# Altium PCB CC-B00-V00.PcbDoc (part 3 of 3) (continued)
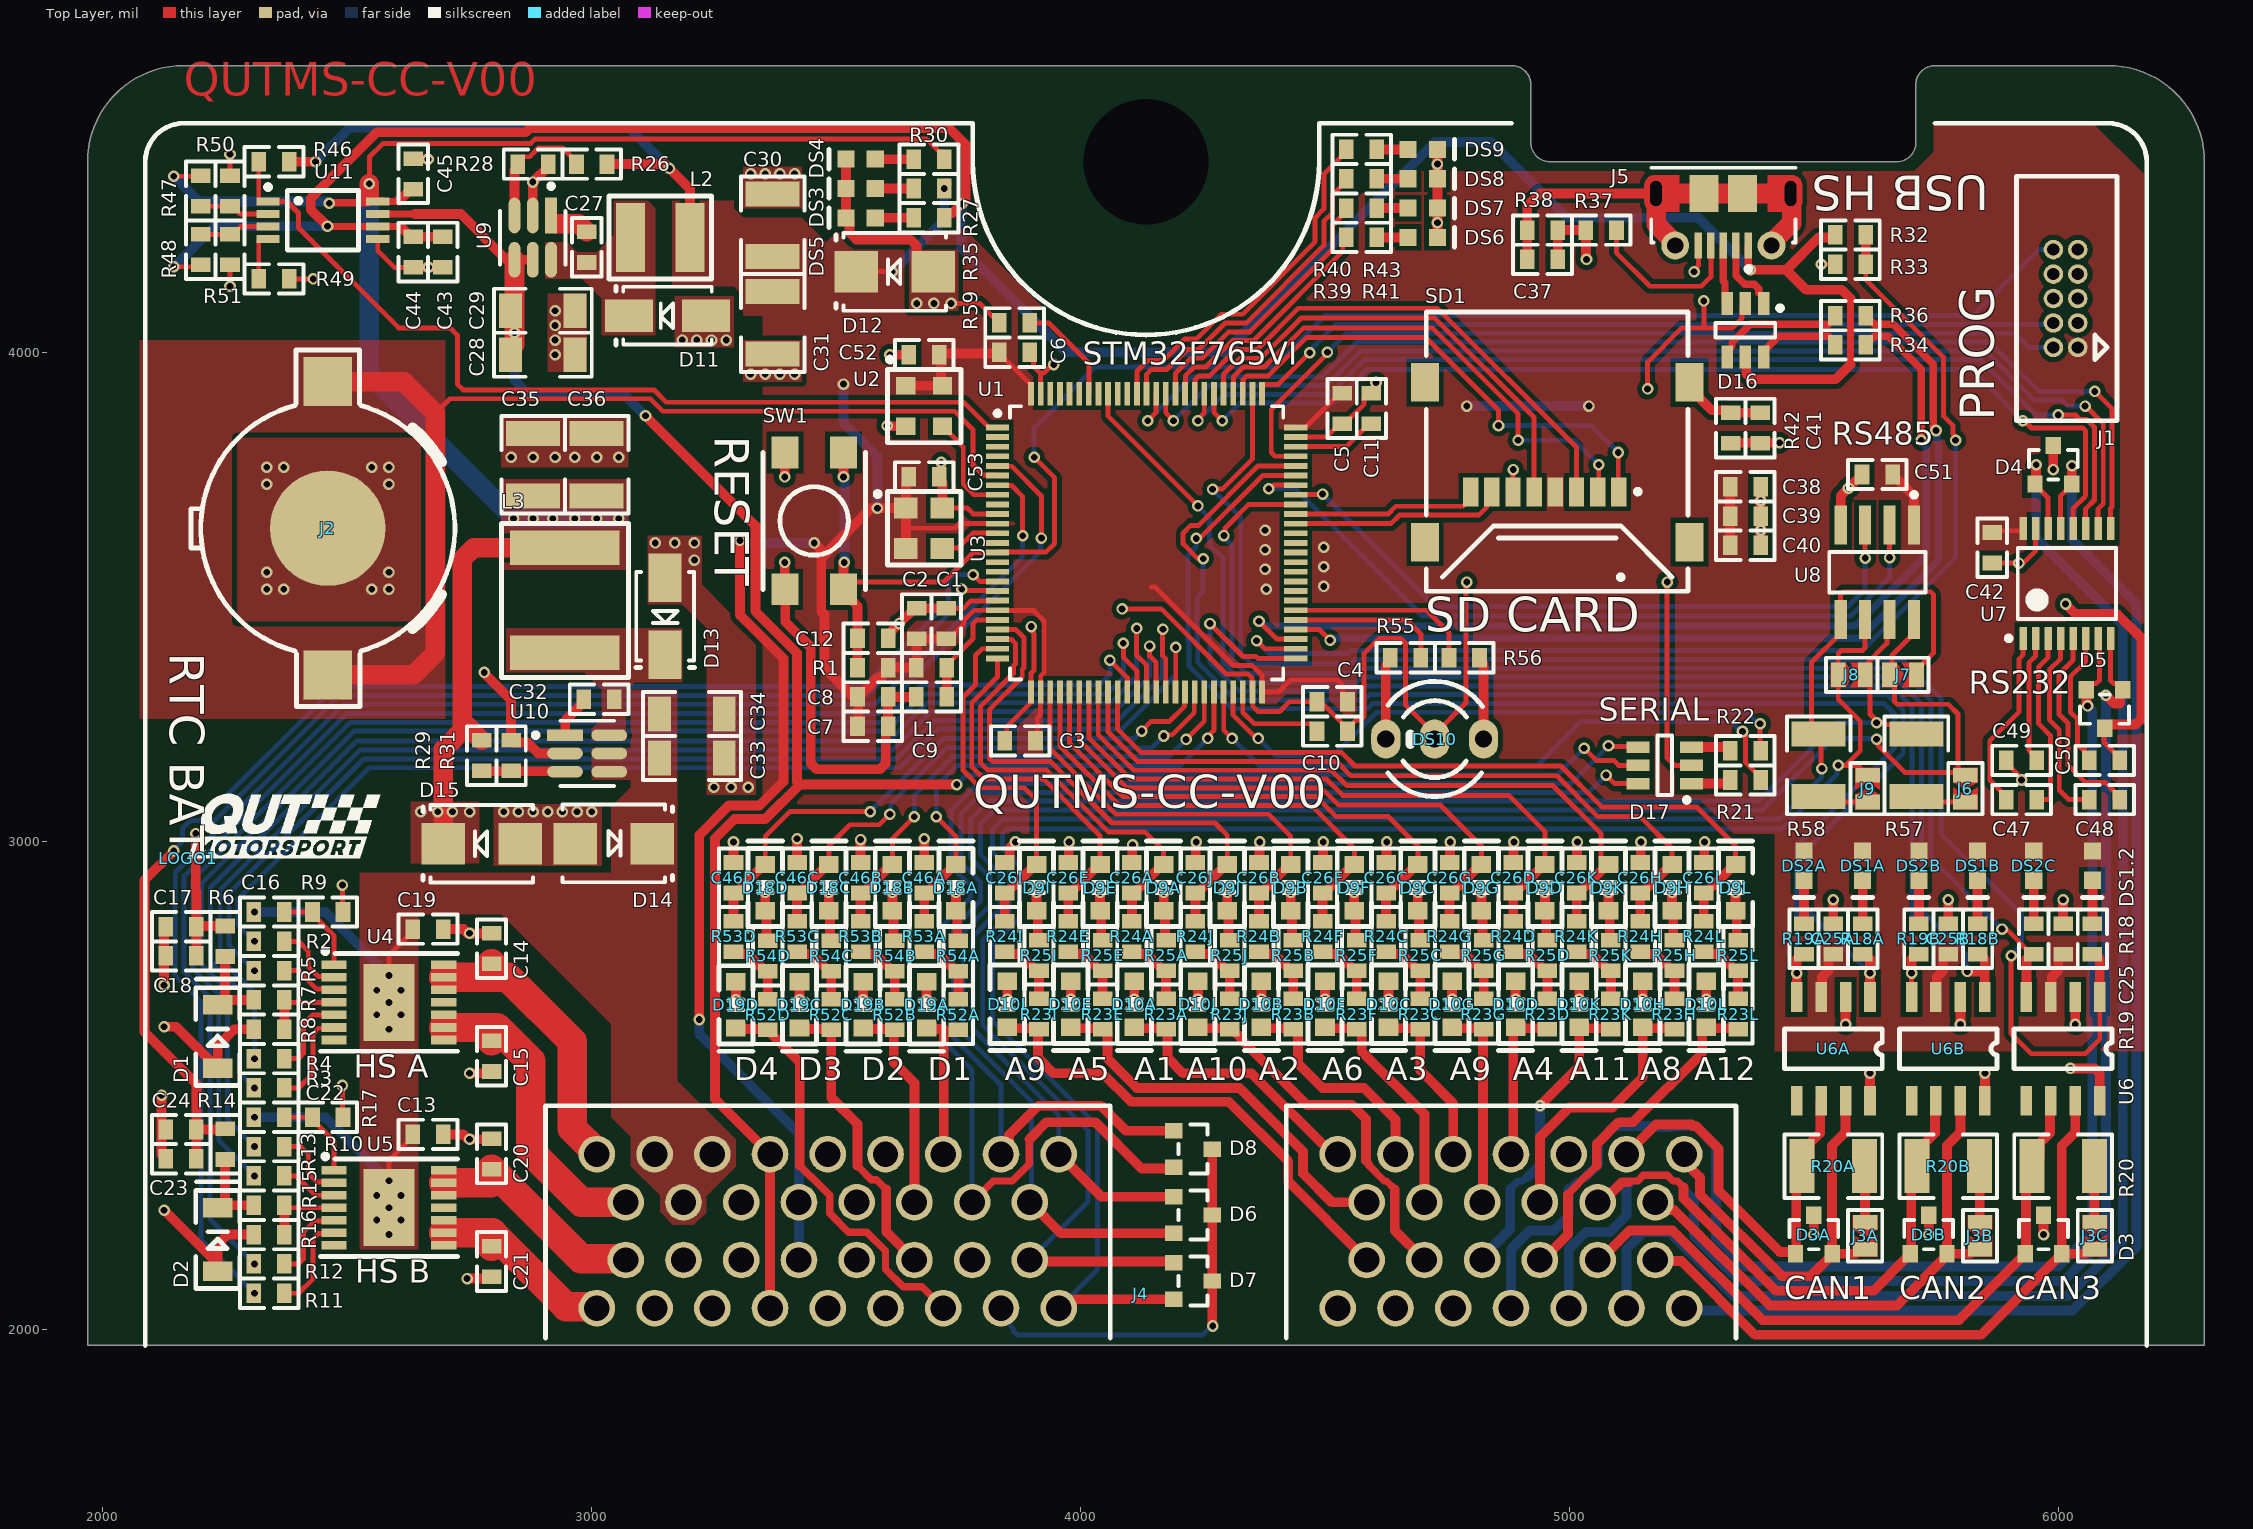
[diagram p0: Top Layer view]
## Nets (pads, with @x,y where several pads share a name; then routed paths per layer and width w, separated by ;. In a path a pad name is that pad's centre, name@x,y a point inside that pad or via, vN(x,y) a via of type N, cw(c..) or ccw(c..) an arc to the next point about the centre after c; other vN are vias at no path point) (continued)
  Top Layer w10: R49.2@2318.76,4150 2318.76,4228.33 2322.05,4231.61 U11.4@2337.8,4231.61
"PWR CB": C27.1 U9.1 | length 72.3
  Top Layer w40: U9.1@2924.7,4263.23 2973.01,4263.23 C27.1@2990,4246.24
"PWR CB 5V": C32.1 U10.1 | length 89.2
  Top Layer w20: U10.1@2945.27,3216.75 2945.85,3217.33 2945.85,3247.08 2978.76,3280 2978.76,3285 C32.1@2983.76,3290
"PWR FB": R26.1 R28.2 U9.3 | length 256.3
  Top Layer w10: R28.2@2848.76,4390 2858.76,4400 2872.85,4400 2890.85,4418 2940.76,4418 2968.76,4390 R26.1@2968.76,4385
  Top Layer w20: U9.3@2841.95,4279.73 2841.95,4373.18 2848.76,4380 R28.2@2848.76,4385
"PWR FB 5V": R29.1 R31.2 U10.3 | length 171
  Top Layer w20: R29.1@2775,3143.76 2776.03,3142.73 2944.48,3142.73 U10.3@2945.27,3141.95
"PWR SW": C27.2 D11.K L2.1 U9.6
"PWR SW 5V": C32.2 D13.K L3.1 U10.6
"RS232 C1+": C47.2 U7.1 | length 369.7
  Top Layer w10: C47.2@5898.76,3095.38 5888.39,3095.38 5883.76,3100 5883.76,3101.24 5860,3125 5860,3205 5920,3265 5920,3373.14 5928.2,3381.34 U7.1@5928.2,3414.7
"RS232 C1-": C47.1 U7.3 | length 373.5
  Top Layer w10: C47.1@5956.24,3085 5980.38,3085 5984.24,3088.86 5984.24,3215.76 5960,3240 5960,3356.57 5979.38,3375.95 U7.3@5979.38,3414.7
"RS232 C2+": C48.2 U7.4 | length 397.9
  Top Layer w10: U7.4@6004.97,3414.7 6004.97,3373.26 5981.85,3350.13 5981.85,3248.15 6002.24,3227.76 6002.24,3104.46 6021.69,3085 C48.2@6063.76,3085
"RS232 C2-": C48.1 U7.5 | length 412.9
  Top Layer w10: U7.5@6030.56,3414.7 6030.56,3370.56 6001.85,3341.85 6001.85,3259.01 6020.24,3240.62 6020.24,3155.14 6055.38,3120 6096.22,3120 C48.1@6116.22,3100 ; C48.1@6116.24,3085 C48.1@6116.24,3100
"RS232 V+": C49.2 U7.2 | length 252.6
  Top Layer w10: C49.2@5953.79,3175 5951.24,3175 5940,3186.24 5940,3364.85 5953.79,3378.65 U7.2@5953.79,3414.7
"RS232 V-": C50.2 U7.6 | length 277.4
  Top Layer w10: C50.2@6053.76,3165 6053.76,3188.19 6048.89,3188.19 6039.24,3197.84 6039.24,3249.9 6025,3264.14 6025,3335.82 6056.16,3366.98 U7.6@6056.16,3414.7
"RS232A RX": D4.1 J4.A25 U7.14 | length 3060.6
  Top Layer w10: D4.1@5952.6,3730.63 5952.6,3728.66 5979.38,3701.88 U7.14@5979.38,3639.11
  Top Layer w20: D4.1@5952.6,3730.63 5954.31,3732.34 5954.31,3769.31 v1(5955,3770)
  Bottom Layer w20: J4.A25@5116.77,2039.59 5116.77,2165.28 5152.01,2200.51 5204.63,2200.51 5335.56,2069.59 6019.59,2069.59 6132,2182 6132,3443 5955,3620 v1(5955,3770)
"RS232A TX": D4.2 J4.A26 U7.13 | length 2770
  Top Layer w10: U7.13@6004.97,3639.11 6004.97,3706.23 6027.4,3728.66 D4.2@6027.4,3730.63
  Top Layer w20: D4.2@6027.4,3730.63 6027.8,3731.02 6027.8,3767.47 v1(6028.19,3767.86)
  Bottom Layer w20: J4.A26@5234.88,2039.59 6029.59,2039.59 6160,2170 6160,3485 6028.19,3616.81 v1(6028.19,3767.86)
"RS232B RX": D5.2 J4.A23 U7.7 | length 2973.4
  Top Layer w10: v1@6057.6,3279.1 v1(6060.13,3276.57) ; D5.2@6057.6,3309.37 6057.6,3311.34 6068.35,3322.09 6077.09,3322.09 6084.46,3329.46 6084.46,3411.99 U7.7@6081.75,3414.7
  Top Layer w20: v1@6057.6,3279.1 D5.2@6057.6,3309.37
  Bottom Layer w15: 4998.13,2288.13 5014.55,2304.55 5021.44,2304.55 5030.52,2313.62 5033.9,2313.62
  Bottom Layer w20: J4.A23@4880.55,2039.59 4880.55,2160.28 4882.11,2161.83 4882.11,2166.83 4918.9,2203.62 4968.42,2203.62 4998.13,2233.33 4998.13,2288.13 ; 5033.9,2313.62 5034.05,2313.62 5059.27,2338.84 5059.27,2383.37 5092.95,2417.05 5177.95,2417.05 5180,2415 5209.02,2415 5211.06,2417.05 5258.7,2417.05 5300,2375.75 5300,2190 5360,2130 6000.8,2130 6069.59,2198.79 6069.59,3266.12 6060.13,3275.59 v1(6060.13,3276.57)
"RS232B TX": D5.1 J4.A24 U7.8 | length 2786.4
  Top Layer w10: U7.8@6107.34,3414.7 6106.77,3414.14 6106.77,3329.37 6114.06,3322.09 6121.65,3322.09 6127.4,3316.34 D5.1@6127.4,3309.37 ; D5.1@6130,3306.97 D5.1@6132.4,3309.37
  Top Layer w20: v1(6097.59,3298.57) 6114.52,3281.65 6125.86,3281.65 6126.65,3282.45 6126.65,3303.62 D5.1@6130,3306.97
  Bottom Layer w15: 5116.77,2289.63 5131.69,2304.55 5139.55,2304.55 5151.13,2316.12 5200.52,2316.12 5212.1,2304.55 5220.45,2304.55 5255,2270
  Bottom Layer w20: J4.A24@4998.66,2039.59 4998.66,2165.27 5033.9,2200.51 5083.42,2200.51 5116.77,2233.86 5116.77,2289.63 ; 5255,2270 5255,2192.57 5347.57,2100 6010.4,2100 6097.59,2187.19 v1(6097.59,3298.57)
"RS485 A": D6.1 J4.B9 J6.2 J7.2 U8.8 | length 3639.5
  Top Layer w10: v1(5628.47,3208.57) 5631.08,3205.96 5631.08,3195.99 5687.07,3140 5795,3140 5795,3150 ; U8.8@5705,3452.95 5705,3425.45 5660,3380.45 5660,3345 J7.2@5655,3340 5665,3330 5665,3285.86 5670.86,3280 5775,3280 5795,3260 5795,3150 ; J6.2@5810,3135 5795,3150
  Top Layer w20: J4.B9@3955.35,2359.55 4042.5,2272.4 D6.1@4190.63,2272.4
  Bottom Layer w10: J4.B9@3955.35,2359.55 3955.35,2439.5 3780,2614.85 3780,2805.15 3835,2860.15 3835,2933.43 3795,2973.43 3795,3034.14 3824.53,3063.67 5394.12,3063.67 5540.46,3210 5627.04,3210 v1(5628.47,3208.57)
"RS485 B": D6.2 J4.B17 J8.1 R57.1 U8.7 | length 3472.2
  Top Layer w10: v1(5628.47,3242.19) 5628.47,3245 v1@5629.24,3245.76 ; U8.7@5655,3452.95 5649.62,3447.57 5649.62,3404.62 5605,3360 J8.1@5605,3340 5615,3330 5615,3260 5630,3245 5632.61,3242.39 5642.61,3242.39 5647.04,3237.96 5691.03,3237.96 R57.1@5710,3218.99
  Top Layer w20: J4.B17@3896.3,2261.12 3959.82,2197.6 D6.2@4190.63,2197.6
  Bottom Layer w10: J4.B17@3896.3,2261.12 3900,2264.82 3900,2466.57 3760,2606.57 3760,2813.43 3815,2868.43 3815,2925.15 3775,2965.15 3775,3045 3811.67,3081.67 5386.67,3081.67 5547.19,3242.19 v1(5628.47,3242.19)
"RS485 TERM A": J6.1 R57.2 | length 104.6
  Top Layer w10: R57.2@5710,3091.01 5721.01,3080 J6.1@5810,3080
"RS485 TERM B": J9.2 R58.1 | length 104.6
  Top Layer w10: R58.1@5510,3091.01 5521.01,3080 J9.2@5610,3080
"RS485 Y": D7.1 J4.B25 J7.1 R58.2 U8.5 | length 3874.4
  Top Layer w10: v1(5516.69,3148.31) 5515,3150 5515,3198.99 5495,3218.99 5495,3365.45 5555,3425.45 5555,3504.14 5560.86,3510 5739.14,3510 5745,3504.14 5745,3385 5710,3350 J7.1@5710,3340
  Top Layer w20: J4.B25@3896.3,2143.01 3899.1,2140.21 4187.82,2140.21 D7.1@4190.63,2137.4
  Bottom Layer w10: J4.B25@3896.3,2143.01 4015,2261.71 4015,2408.14 3800,2623.14 3800,2796.86 3855,2851.86 3855,2941.72 3820,2976.72 3820,3024.39 3840.61,3045 5430,3045 5516.04,3131.04 5516.04,3147.67 v1(5516.69,3148.31)
"RS485 Z": D7.2 J4.B34 J8.2 J9.1 U8.6 | length 3595.6
  Top Layer w10: v1(5550,3155) 5565,3155 ; U8.6@5605,3452.95 5605,3395.86 5599.14,3390 5555.86,3390 5550,3384.14 J8.2@5550,3340 5550,3290 5595,3245 5595,3185 5565,3155 ; J9.1@5610,3135 5590,3155 5565,3155
  Top Layer w20: J4.B34@3955.35,2044.59 3970.24,2044.59 3988.25,2062.6 D7.2@4190.63,2062.6
  Bottom Layer w10: J4.B34@3955.35,2044.59 4035,2124.23 4035,2416.42 3820,2631.42 3820,2788.58 3875,2843.58 3875,2950 3840,2985 3840,3016.11 3848.89,3025 5435.46,3025 5547.39,3136.94 5547.39,3152.39 v1(5550,3155)
"SD CLK": SD1.5 U1.80 | length 959.8
  Top Layer w10: U1.80@4292.48,3915.16 4292.48,3954.93 4325.33,3987.78 4368.69,3987.78 4450.91,4070 4724.54,4070 4927.95,3866.59 SD1.5@4927.95,3713.98
"SD CMD": SD1.3 U1.83 | length 1079.4
  Top Layer w10: U1.83@4233.42,3915.16 4234.2,3915.94 4234.2,3944.17 4241.82,3951.78 4263.87,3951.78 4317.87,4005.78 4361.24,4005.78 4445.46,4090 4730,4090 5014.57,3805.43 SD1.3@5014.57,3713.98
"SD DATA0": SD1.7 U1.65 | length 439.9
  Top Layer w10: U1.65@4440.11,3649.41 4634.87,3649.41 4652.46,3667 4814.72,3667 4830.59,3682.87 4830.59,3703.23 SD1.7@4841.34,3713.98
"SD DATA1": SD1.8 U1.66 | length 384.6
  Top Layer w10: U1.66@4440.11,3669.1 4629.1,3669.1 4645,3685 4782.84,3685 4798.03,3700.2 SD1.8@4798.03,3713.98
"SD DATA2": SD1.1 U1.78 | length 1029.7
  Top Layer w10: U1.78@4331.85,3915.16 4332.62,3915.94 4332.62,3944.17 4340.24,3951.78 4383.61,3951.78 4461.82,4030 4706.72,4030 4855,3881.72 v1(4855,3850) ; v1(5100,3795) 5100,3715.16 SD1.1@5101.18,3713.98
  Bottom Layer w10: v1(4855,3850) 5045,3850 v1(5100,3795)
"SD DATA3": SD1.2 U1.79 | length 1028.2
  Top Layer w10: U1.79@4312.16,3915.16 4312.94,3915.94 4312.94,3949.94 4332.78,3969.78 4376.15,3969.78 4456.37,4050 4719.09,4050 4895,3874.09 v1(4895,3820) ; SD1.2@5057.87,3713.98 5060,3716.1 v1(5060,3770)
  Bottom Layer w10: v1(4895,3820) 5010,3820 v1(5060,3770)
"SD SHIELD": C41.1 R42.2 SD1.11 | length 157.7
  Top Layer w20: SD1.11@5245.67,3938.39 5245.67,3927.56 5291.99,3881.24 5325,3881.24 R42.2@5330,3876.24 ; R42.2@5348.76,3876.24 C41.1@5390,3876.24
SWCLK: J1.4 U1.76 | length 1692
  Top Layer w10: U1.76@4371.22,3915.16 4371.22,3932.88 4372.12,3933.78 4403.59,3933.78 4468.6,3998.79 v1(4468.6,3998.86)
  Bottom Layer w10: v1(4468.6,3998.86) 4468.6,4003.6 4522,4057 5987,4057 J1.4@5990,4060
SWDIO: J1.2 U1.72 | length 1819.1
  Top Layer w10: U1.72@4440.11,3787.21 4397.79,3787.21 4390,3795 4390,3882.34 4505,3997.34 v1(4505,4000)
  Bottom Layer w10: v1(4505,4000) 4544,4039 5910.54,4039 5939.54,4010 J1.2@5990,4010
"UART1 RX": U1.81 U7.12 | length 2134.7
  Top Layer w10: U1.81@4272.79,3915.16 4272.79,3877.21 v1(4290,3860) ; v1(5927.78,3860) 5930.39,3860 5945.39,3845 6050.29,3845 6056.15,3839.14 6056.15,3707.53 6055,3706.38 6055,3705 6030.56,3680.56 U7.12@6030.56,3639.11
  Bottom Layer w10: v1(4290,3860) 4326,3896 4516.91,3896 4585.91,3965 5822.78,3965 v1(5927.78,3860)
"UART1 TX": U1.82 U7.11 | length 2218.8
  Top Layer w10: v1(4240,3860) 4240,3863.43 4253.11,3876.54 U1.82@4253.11,3915.16 ; v1(6000,3871.81) 6035.27,3871.81 6044.08,3863 6057.75,3863 6074.15,3846.6 6074.15,3697.86 6056.16,3679.87 U7.11@6056.16,3639.11
  Bottom Layer w10: v1(4240,3860) 4294,3914 4509.46,3914 4580.46,3985 5840.7,3985 5953.89,3871.81 v1(6000,3871.81)
"UART2 RX": U1.87 U7.9 | length 2405.4
  Top Layer w10: v1(4137.42,3859.7) 4154.68,3876.96 U1.87@4154.68,3915.16 ; v1(6075,3920) 6110.15,3884.85 6110.15,3682.95 6107.34,3680.14 U7.9@6107.34,3639.11
  Bottom Layer w10: v1(4137.42,3859.7) 4227.72,3950 4494.54,3950 4565.54,4021 5859,4021 5960,3920 v1(6075,3920)
"UART2 TX": U1.86 U7.10 | length 2304
  Top Layer w10: U1.86@4174.37,3915.16 4174.37,3876.54 4190,3860.9 v1(4190,3860) ; v1(6055,3890) 6056.2,3890 6092.15,3854.05 6092.15,3690.41 6081.75,3680 U7.10@6081.75,3639.11
  Bottom Layer w10: v1(4190,3860) 4262,3932 4502,3932 4573,4003 5850.36,4003 5951.36,3902 6007.73,3902 6019.73,3890 v1(6055,3890)
"UART3 RX": U1.69 U8.2 | length 1576.2
  Top Layer w10: v1(4385,3721.03) 4388.69,3721.03 4395.81,3728.15 U1.69@4440.11,3728.15 ; v1(5655,3580) U8.2@5655,3647.05
  Bottom Layer w10: v1(4385,3721.03) 4438.98,3721.03 4699.5,3460.5 5575.96,3460.5 5655,3539.54 v1(5655,3580)
"UART3 TX": U1.68 U8.3 | length 1407.3
  Top Layer w10: U1.68@4440.11,3708.47 4440.88,3709.23 4494.23,3709.23 v1(4495,3710) ; v1(5605,3579.05) U8.3@5605,3647.05
  Bottom Layer w10: v1(4495,3710) 4725,3480 5570,3480 5605,3515 v1(5605,3579.05)
"UART4 R RX": D17.3 R22.2 | length 83.2
  Top Layer w20: D17.3@5250,3192.4 5323.76,3192.4 5328.76,3187.4 R22.2@5328.76,3185
"UART4 R TX": D17.1 R21.2 | length 83.2
  Top Layer w20: D17.1@5250,3117.6 5323.76,3117.6 5328.76,3122.6 R21.2@5328.76,3125
"UART4 RX": R22.1 U1.47 | length 1261.5
  Top Layer w10: U1.47@4312.16,3304.92 4312.16,3257.38 4359.54,3210 v1(4363.35,3210) ; v1(5390,3240) 5390,3186.24 R22.1@5391.24,3185
  Bottom Layer w10: v1(4363.35,3210) 4398.35,3175 4517.11,3175 4605.78,3263.67 5362.65,3263.67 5386.31,3240 v1(5390,3240)
"UART4 TX": R21.1 U1.46 | length 1330.7
  Top Layer w10: U1.46@4292.48,3304.92 4292.91,3304.49 4292.91,3227.09 v1(4310,3210) ; v1(5354.13,3224.19) 5354.13,3220.5 5360.12,3214.52 5360.12,3161.12 5391.24,3130 R21.1@5391.24,3125
  Bottom Layer w10: v1(4310,3210) 4366.33,3153.67 4932.88,3153.67 5024.21,3245 5329.64,3245 5350.45,3224.19 v1(5354.13,3224.19)
"UARTP RX": D8.2 D17.4 J4.B16 | length 2883.7
  Top Layer w10: D8.2@4190.63,2332.6 D8.2@4193.23,2330 ; v1(5080,3195) 5081.3,3193.7 5138.7,3193.7 D17.4@5140,3192.4
  Top Layer w15: J4.B16@3778.19,2261.12 3821.61,2304.55 3860.03,2304.55 3895,2339.52 3895,2390
  Top Layer w20: 3895,2390 3930,2425 4030,2425 4125,2330 D8.2@4193.23,2330
  Bottom Layer w10: J4.B16@3778.19,2261.12 3778.19,2531.81 3720,2590 3720,2830 3775,2885 3775,2908.58 3735,2948.58 3735,3063.28 3789.38,3117.67 5002.67,3117.67 v1@5081.4,3196.4
"UARTP TX": D8.1 D17.6 J4.B8 | length 2611.8
  Top Layer w10: v1(5075,3135) 5092.4,3117.6 D17.6@5140,3117.6
  Top Layer w20: J4.B8@3847.77,2372.77 3847.77,2384.96 3853.63,2390.81 3853.63,2398.63 3913.68,2458.68 4041.32,2458.68 4092.6,2407.4 D8.1@4190.63,2407.4
  Bottom Layer w10: J4.B8@3837.24,2359.55 3837.24,2501.04 3740,2598.28 3740,2821.72 3795,2876.72 3795,2916.86 3755,2956.86 3755,3055 3799.67,3099.67 5039.67,3099.67 v1(5075,3135)
"USB D_N": D16.1 J5.2 | length 147.6
  Top Layer w15: J5.2@5340.55,4218.5 5340.93,4218.13 5340.93,4156.48 5358.28,4139.12 5378.23,4139.12 5387.31,4130.04 5387.31,4121.9 5393.09,4116.12 D16.1@5393.09,4104.31
"USB D_P": D16.3 J5.3 | length 121.7
  Top Layer w15: J5.3@5314.96,4218.5 5314.96,4145.72 5318.29,4142.4 5318.29,4104.31 D16.3@5322.6,4100
"USB DET": R32.1 R33.1 U1.52 | length 2344.7
  Top Layer w10: v1(4360,3410) 4376.49,3393.51 U1.52@4440.11,3393.51 ; R33.1@5606.24,4180 5606.24,4148.76 5765,3990 5765,3870 5785,3850 5785,3832.67 5787.39,3830.28 5787.39,3822.61 v1(5790,3820)
  Top Layer w20: R33.1@5606.24,4180 R32.1@5606.24,4240
  Bottom Layer w10: v1(4360,3410) 4386.12,3383.88 4547.8,3383.88 4553.92,3390 5599.35,3390 5790,3580.65 v1(5790,3820)
"USB ESD D_N": D16.6 R34.2 | length 185.2
  Top Layer w15: D16.6@5397.4,3990 5397.4,4001.81 5421.02,4025.43 5421.02,4032.5 5531.26,4032.5 5543.76,4020 R34.2@5543.76,4015
"USB ESD D_P": D16.4 R36.2 | length 271
  Top Layer w15: D16.4@5322.6,3990 5322.6,4001.81 5332.69,4011.9 5332.69,4020.04 5370.15,4057.5 5531.26,4057.5 5543.76,4070 R36.2@5543.76,4075
"USB ID": J5.4 R37.2 | length 340
  Top Layer w10: R37.2@5096.24,4250 5096.24,4203.76 5165,4135 5270,4135 5289.37,4154.37 J5.4@5289.37,4218.5
USB_N: R34.1 U1.53 | length 2055.4
  Top Layer w10: v1(4365,3450) 4401.49,3413.51 4421.49,3413.51 4421.81,3413.19 U1.53@4440.11,3413.19
  Top Layer w15: R34.1@5606.24,4015 5606.24,4020 5613.74,4027.5 5618.74,4027.5 5623.74,4032.5 5652.14,4032.5 5719.5,3965.14 5719.5,3820.5 v1(5720,3820)
  Bottom Layer w15: v1(4365,3450) 4367.33,3450 4377.33,3440 5585,3440 5730,3585 5730,3807.67 5720,3817.67 v1(5720,3820)
USB_P: R36.1 U1.54 | length 1979.6
  Top Layer w10: U1.54@4440.11,3432.88 4488.22,3432.88 v1(4510.41,3410.69)
  Top Layer w15: R36.1@5606.24,4075 5606.24,4070 5613.74,4062.5 5618.74,4062.5 5623.74,4057.5 5662.5,4057.5 5744.5,3975.5 5744.5,3847.83 5750,3842.33 v1(5750,3840)
  Bottom Layer w15: v1(4510.41,3410.69) 4512.74,3410.69 4517.05,3415 5595.36,3415 5755,3574.64 5755,3818.02 5751.65,3821.37 5751.65,3838.35 v1(5750,3840)
VBAT: J2.1 U1.6 | length 2245.4
  Top Layer w10: 2680,3875 2710,3905 3120,3905 3145.62,3879.38 3742.47,3879.38 3780,3841.85 3780,3769.49 3800.87,3748.62 3829.1,3748.62 U1.6@3829.88,3747.84
  Top Layer w40: J2.1@2460,3340 2635,3340 2680,3385 2680,3875 2615,3940 J2.1@2460,3940
VBUS: C28.2 C29.2 D17.5 J4.B4 J4.B29 U9.4 U9.5 U11.7 | length 4883.2
  Top Layer w10: C28.2@2833.92,3995 2841.95,4003.03 v1(2841.95,4040) ; v1(5030,3190) 5055,3165 5090.69,3165 5100.69,3155 D17.5@5140,3155
  Top Layer w15: U11.7@2562.2,4282.8 2637.8,4282.8
  Top Layer w20: 2637.8,4282.8 2732.2,4282.8 2825.84,4189.16 U9.4@2841.95,4189.16 ; U9.4@2840.05,4203.07 2841.95,4201.17 U9.4@2841.95,4189.16 ; U9.5@2879.35,4189.16 U9.4@2841.95,4189.16 ; v1(3110,3870) 3335,3645 3335,3470 3420,3385 3420,3121.28 3425.64,3115.64 ; J4.B29@3364.8,2044.59 J4.B4@3364.8,2359.55 3252,2472.35 3252,3005.18 3291.82,3045 3355,3045 3425.64,3115.64 ; v1(3746.65,3115.64) 3425.64,3115.64
  Top Layer w40: C28.2@2833.92,3995 2833.92,4007 2841.95,4015.03 U9.4@2841.95,4189.16
  Bottom Layer w10: v1(3746.65,3115.64) 3766.68,3135.67 3780,3135.67 4975.67,3135.67 v1(5030,3190)
  Bottom Layer w20: v1(2841.95,4040) 2841.95,3943.05 2870,3915 3065,3915 v1(3110,3870)
VCAP1: C10.2 U1.48 | length 205.3
  Top Layer w10: U1.48@4331.85,3297.85 4331.85,3263.15 4355,3240 4473.76,3240 4483.76,3230 C10.2@4483.76,3225
VCAP2: C11.2 U1.73 | length 174.3
  Top Layer w10: U1.73@4440.11,3806.89 4543.13,3806.89 4590,3853.76 C11.2@4595,3853.76
VCC: C13.1 C16.2 C19.1 C22.2 C33.2 C34.2 D14.K J4.B2 J4.B3 J4.B11 U4.15 U5.15 U10.4 U10.5 | length 1000.6
  Top Layer w10: v1(2585,2250) v1(2585,2305) 2585,2346.24 2633.76,2395 C13.1@2633.76,2400 ; v1(2585,2670) v1(2585,2725) 2585,2766.24 2633.76,2815 C19.1@2633.76,2820
  Top Layer w20: C22.2@2308.76,2435 v1(2310,2435) ; C16.2@2308.76,2855 v1(2310,2855)
  Bottom Layer w20: v1(2310,2435) 2455,2435 v1(2585,2305) ; v1(2310,2855) 2455,2855 v1(2585,2725)
  other v1: 2585,2195 2560,2225 2610,2225 2560,2275 2610,2275 2585,2615 2560,2645 2610,2645 2560,2695 2610,2695
VDDA: C9.2 L1.2 U1.21 | length 225
  Top Layer w10: L1.2@3726.24,3355 3726.24,3360 3780,3413.76 3780,3444.54 3788.02,3452.56 U1.21@3829.88,3452.56
  Top Layer w20: C9.2@3726.24,3295 L1.2@3726.24,3355
VUSB: C43.2 C44.2 D16.5 J5.1 R32.2 R35.2 R48.2 U11.6 | length 5202.4
  Top Layer w10: v1(2145,4175) 2196.24,4175 R48.2@2200,4178.76 ; C44.2@2630,4236.24 C44.2@2635,4236.24 ; 5440,4168.62 5443.62,4168.62 ; R32.2@5538.76,4235 R32.2@5543.76,4240
  Top Layer w15: v1(2459.43,4257.9) 2460.13,4257.2 U11.6@2562.2,4257.2 2609.03,4257.2 ; J5.1@5366.14,4218.5 5366.14,4175.05 5370.24,4170.95 v1(5370.24,4168.62) ; 5574.97,3974.97 5574.97,4110.03
  Top Layer w20: v1(2459.43,4257.9) 2425,4292.33 2425,4315 2560,4450 2864.87,4450 2873.87,4459 3731,4459 3765,4425 3765,4310.01 v1@3754.99,4300 ; 2609.03,4257.2 C44.2@2630,4236.24 ; C44.2@2635,4236.24 C43.2@2695,4236.24 ; R35.2@3721.24,4275 3721.24,4280 3726.24,4285 3738.12,4285 3756.47,4303.36 v1(3756.64,4303.36) ; D16.5@5360,3990 5361.81,3988.19 5361.81,3956.72 5373.53,3945 5545,3945 5574.97,3974.97 ; v1(5370.24,4168.62) 5440,4168.62 ; R32.2@5538.76,4235 5510,4235 5443.62,4168.62 5484.54,4127.69 5557.31,4127.69 5574.97,4110.03
  Bottom Layer w20: v1(2145,4175) 2227.9,4257.9 v1(2459.43,4257.9) ; v1(3756.64,4303.36) 3756.64,4213.36 3970,4000 4295,4000 4725,4430 4840,4430 4995,4275 5263.85,4275 v1(5370.24,4168.62)
"VUSB LED": DS5.1 R35.1 | length 71.4
  Top Layer w20: DS5.1@3587.39,4275 R35.1@3658.76,4275
pads on no net: J4.N/C SD1.9 SD1.10 SD1.12 U1.2 U1.3 U1.4 U1.15 U1.16 U1.57 U1.58 U1.59 U1.60 U1.61 U1.62 U1.63 U1.64 U1.90 U1.91 U1.93 U1.95 U1.96 U1.97 U1.98 U4.7 U4.11 U5.7 U5.11

## Polygon pours and split planes (outlines as drawn)
GND on Top Layer "NONET_L01_P-001" (solid, pour order 33): 2650,3450 2650,3825 2275,3825 2275,3450
VCC on Top Layer "NONET_L01_P-001" (solid, pour order 51): 3085,3115 3040,3070 3040,2435 3085,2390 3125,2390 3125,3115
VBAT on Top Layer "NONET_L01_P-001" (solid, pour order 50): 2700,4025 2700,3250 2075,3250 2075,4025
3V3 on Top Layer "NONET_L01_P-001" (solid, pour order 48): 6175,4365 6070,4470 5745,4470 5745,4410 5705,4370 4620,4370 4280,4030 3985,4030 3765,4250 3505,4250 3350,4095 3350,3015 5420,3015 5420,2940 6175,2940
5V on Top Layer "NONET_L01_P-001" (solid, pour order 45): 2770,2955 2770,3080 2630,3080 2630,2955
GND on Top Layer "NONET_L01_P-001" (solid, pour order 44): 3225,3530 3225,3525 3335,3415 3335,3370 3235,3370 3235,3435 3185,3485 3185,3530
3V3 on Top Layer "NONET_L01_P-001" (solid, pour order 43): 3380,4275 3430,4275 3490,4215 3595,4215 3595,4115 3490,4115 3450,4075 3380,4075
GND on Top Layer "NONET_L01_P-001" (solid, pour order 41): 3650,4210 3750,4210 3750,4085 3650,4085
GND on Top Layer "NONET_L01_P-001" (solid, pour order 36): 2815,3870 3075,3870 3075,3765 2815,3765
5V on Top Layer "NONET_L01_P-001" (solid, pour order 34): 2815,3740 3075,3740 3075,3550 3070,3555 2815,3555
3V3 on Top Layer "NONET_L01_P-001" (solid, pour order 31): 3165,4310 3290,4310 3290,4295 3310,4275 3430,4275 3430,4075 3310,4075 3310,4115 3290,4135 3165,4135
GND on Top Layer "NONET_L01_P-001" (solid, pour order 29): 2990,4120 2990,3960 2910,3960 2910,4120
GND on Top Layer "NONET_L01_P-001" (solid, pour order 28): 3170,4010 3290,4010 3290,4115 3170,4115
GND on Top Layer "NONET_L01_P-001" (solid, pour order 27): 3310,3940 3430,3940 3430,4025 3310,4025
GND on Top Layer "NONET_L01_P-001" (solid, pour order 26): 3310,4295 3430,4295 3430,4380 3310,4380
"PWR SW" on Top Layer "NONET_L01_P-001" (solid, pour order 25): 2905,4225 2950,4225 2970,4205 3010,4205 3045,4240 3045,4310 3115,4310 3130,4295 3130,4035 3020,4035 3020,4110 2980,4150 2905,4150
VCC on Top Layer "NONET_L01_P-001" (solid, pour order 24): 3100,2565 3100,2875 2790,2875
GND on Top Layer "NONET_L01_P-001" (solid, pour order 23): 2800,2950 3020,2950 3020,3075 2800,3075
VCC on Top Layer "NONET_L01_P-001" (solid, pour order 22): 2610,2935 3155,2935 3155,2850 2610,2850
VCC on Top Layer "NONET_L01_P-001" (solid, pour order 10): 3080,2335 3139.73,2275.27 3139.73,2241.28 3166.16,2214.85 3175.24,2214.85 3209.11,2214.85 3233.91,2239.65 3233.91,2273.52 3294.6,2334.21 3294.6,2390.4 3175.24,2509.76 3175.24,3310 3080,3310
GND on Top Layer "NONET_L01_P-001" (solid, pour order 21): 3235,3095 3235,3415 3335,3415 3335,3095
no net on Top Layer "NONET_L01_P-001" (solid, pour order 19): 3235,3305
VCC on Top Layer "NONET_L01_P-001" (solid, pour order 18): 3000,3190 3115,3190 3115,3125 3000,3125
"PWR SW 5V" on Top Layer "NONET_L01_P-001" (solid, pour order 17): 3185,3435 3185,3325 3085,3325 3085,3205 3000,3205 3000,3230 3020,3250 3020,3310 2985,3345 2825,3345 2825,3435
GND on Top Layer "NONET_L01_P-001" (solid, pour order 16): 3115,3485 3225,3485 3225,3625 3115,3625
no net on Top Layer "NONET_L01_P-001" (solid, pour order 13): 3080,2955
no net on Top Layer "NONET_L01_P-001" (solid, pour order 12): 3080,2955
3V3 on Top Layer "NONET_L01_P-001" (solid, pour order 8): 5420,3035 5420,2570 6175,2570 6175,3035
VCC on Top Layer "NONET_L01_P-001" (solid, pour order 3): 2525,2165 2645,2165 2645,2935 2525,2935
no net on Top Layer "NONET_L01_P-001" (solid, pour order 0): 3070,2360
5V on Bottom Layer "NONET_L01_P-001" (solid, pour order 47): 2630,3080 2770,3080 2770,3020 3350,2440 3350,2125 3325,2100 3285,2100 3260,2125 3260,2395 2630,3025
3V3 on Bottom Layer "NONET_L01_P-001" (solid, pour order 1): 4325,3721.03 4325,3440 4720,3440 4438.98,3721.03
GND on Bottom Layer "NONET_L01_P-001" (solid, pour order 49): 3895,1985 3895,2550 3820,2625 3820,3055 4335,3570 4335,4035 3985,4035 3775,4245 3775,4468.5 2243.5,4468.5 2085,4310 2085,1985
GND on Bottom Layer "NONET_L01_P-001" (solid, pour order 46): 4848.61,4409.44 4890.66,4370 5705,4370 5803.5,4468.5 6071.49,4468.5 6180,4360 6180,1980 4835,1980 4835,2090 4965,2090 5420,2545 5420,3025 4025.44,3025 4025,3025.44 4025,4000 4270,4000 4679.44,4409.44
VCC on Bottom Layer "NONET_L01_P-001" (solid, pour order 39): 2525,2755 2645,2755 2645,2585 2525,2585
VCC on Bottom Layer "NONET_L01_P-001" (solid, pour order 38): 2525,2165 2645,2165 2645,2335 2525,2335
AGND on Bottom Layer "NONET_L01_P-001" (solid, pour order 37): 5400,3025 5400,2550 5300,2450 5175,2450 4998.66,2273.66 4873.65,2148.65 4820,2095 4821.5,2031.5 4780,1990 4310,1990 4050,2250 4050,2415 3835,2630 3835,2780 3890,2835 3890,2960 3850,3000 3850,3015 3860,3025
no net on Bottom Overlay "NONET_L01_P-001" (solid): 3575,2850 3575,3000 2725,3000 2725,2850

## Other copper
Top Layer:
  text "QUTMS-CC-V00" at 2165,4502.07 h118.11
Bottom Layer:
  pour cut-out: 3245,4150 3245,4320 3035,4320 3035,4150
  pour cut-out: 2815,3365 3075,3365 3075,3615 2815,3615

## Silkscreen, mask and mechanical layers (free items; w line width, h text height)
Top Overlay:
  lines w10: 2086.61,1968.5 2086.61,4389.76 cw(c2165.35,4389.76) 2165.35,4468.5 3779.53,4468.5 3779.53,4389.76 ccw(c4133.86,4389.76) 4488.19,4389.76 4488.19,4468.5 4881.89,4468.5 ; 5748.03,4468.5 6102.36,4468.5 cw(c6102.36,4389.76) 6181.1,4389.76 6181.1,1968.5
  text "USB HS" at 5857.91,4385.04 h120 r180
  text "STM32F765VI" at 4004.3,3958.95 h80
  text "PROG" at 5892.5,3860.21 h120 r90
  text "RESET" at 3227.67,3829.23 h120 r270
  text "RS485" at 5537.23,3795.67 h80
  text "SD CARD" at 4705,3404.96 h120
  text "RTC BAT" at 2112.94,3385.32 h120 r270
  text "RS232" at 5817,3285.67 h80
  text "SERIAL" at 5060.36,3230.67 h80
  text "QUTMS-CC-V00" at 3780.35,3044.35 h118.11
  text "HS A" at 2513.48,2500.67 h80
  text "D3" at 3422.48,2495.67 h80
  text "A5" at 3974.39,2495.67 h80
  text "A10" at 4215.85,2495.67 h80
  text "A6" at 4494.43,2495.67 h80
  text "A3" at 4624.98,2495.67 h80
  text "A8" at 5144.78,2495.67 h80
  text "D4" at 3291.39,2495 h80
  text "D2" at 3551.78,2495 h80
  text "D1" at 3686.99,2495 h80
  text "A9" at 3845.04,2495.18 h80
  text "A1" at 4109.5,2495 h80
  text "A2" at 4364.28,2495 h80
  text "A9" at 4755.04,2495.18 h80
  text "A4" at 4883.89,2495 h80
  text "A11" at 5000.57,2495 h80
  text "A12" at 5255.35,2495 h80
  text "HS B" at 2516.07,2080.67 h80
  text "CAN1" at 5440,2047.5 h80
  text "CAN2" at 5675,2047.5 h80
  text "CAN3" at 5910,2047.84 h80
Bottom Overlay:
  lines w10: 2086.61,1968.5 2086.61,4389.76 cw(c2165.35,4389.76) 2165.35,4468.5 3779.53,4468.5 3779.53,4389.76 ccw(c4133.86,4389.76) 4488.19,4389.76 4488.19,4468.5 4881.89,4468.5 ; 5748.03,4468.5 6102.36,4468.5 cw(c6102.36,4389.76) 6181.1,4389.76 6181.1,1968.5
  text "Coin Cell 1220" at 2120.67,3436.79 h80 r270
  text "QUTMS-CC-V00" at 3780,3038.41 h180
  text "S/N:" at 3774.94,2891.11 h120
Top Solder:
  circle w50: c2460,3640 r145
  circle w20: c2460,3640 r175
  circle w196.85: c4133.86,4389.76 r236.22
  lines w196.85: 1968.5,1968.5 1968.5,4389.77 cw(c2165.35,4389.76) 2165.35,4586.61 4881.89,4586.61 ; 5748.03,4586.61 6102.36,4586.61 cw(c6102.36,4389.76) 6299.21,4389.76 6299.21,1968.5
Bottom Solder:
  circle w196.85: c4133.86,4389.76 r236.22
  lines w196.85: 1966.42,1968.43 1966.42,4389.69 cw(c2163.27,4389.69) 2163.27,4586.54 4879.8,4586.54 ; 5745.94,4586.54 6100.27,4586.54 cw(c6100.27,4389.69) 6297.13,4389.69 ; 6297.12,1968.43 6297.12,4389.69
Mechanical 1:
  the board outline again, w10